# Altium PCB bms_mainboard-1_1.PcbDoc (part 2 of 7) (continued)
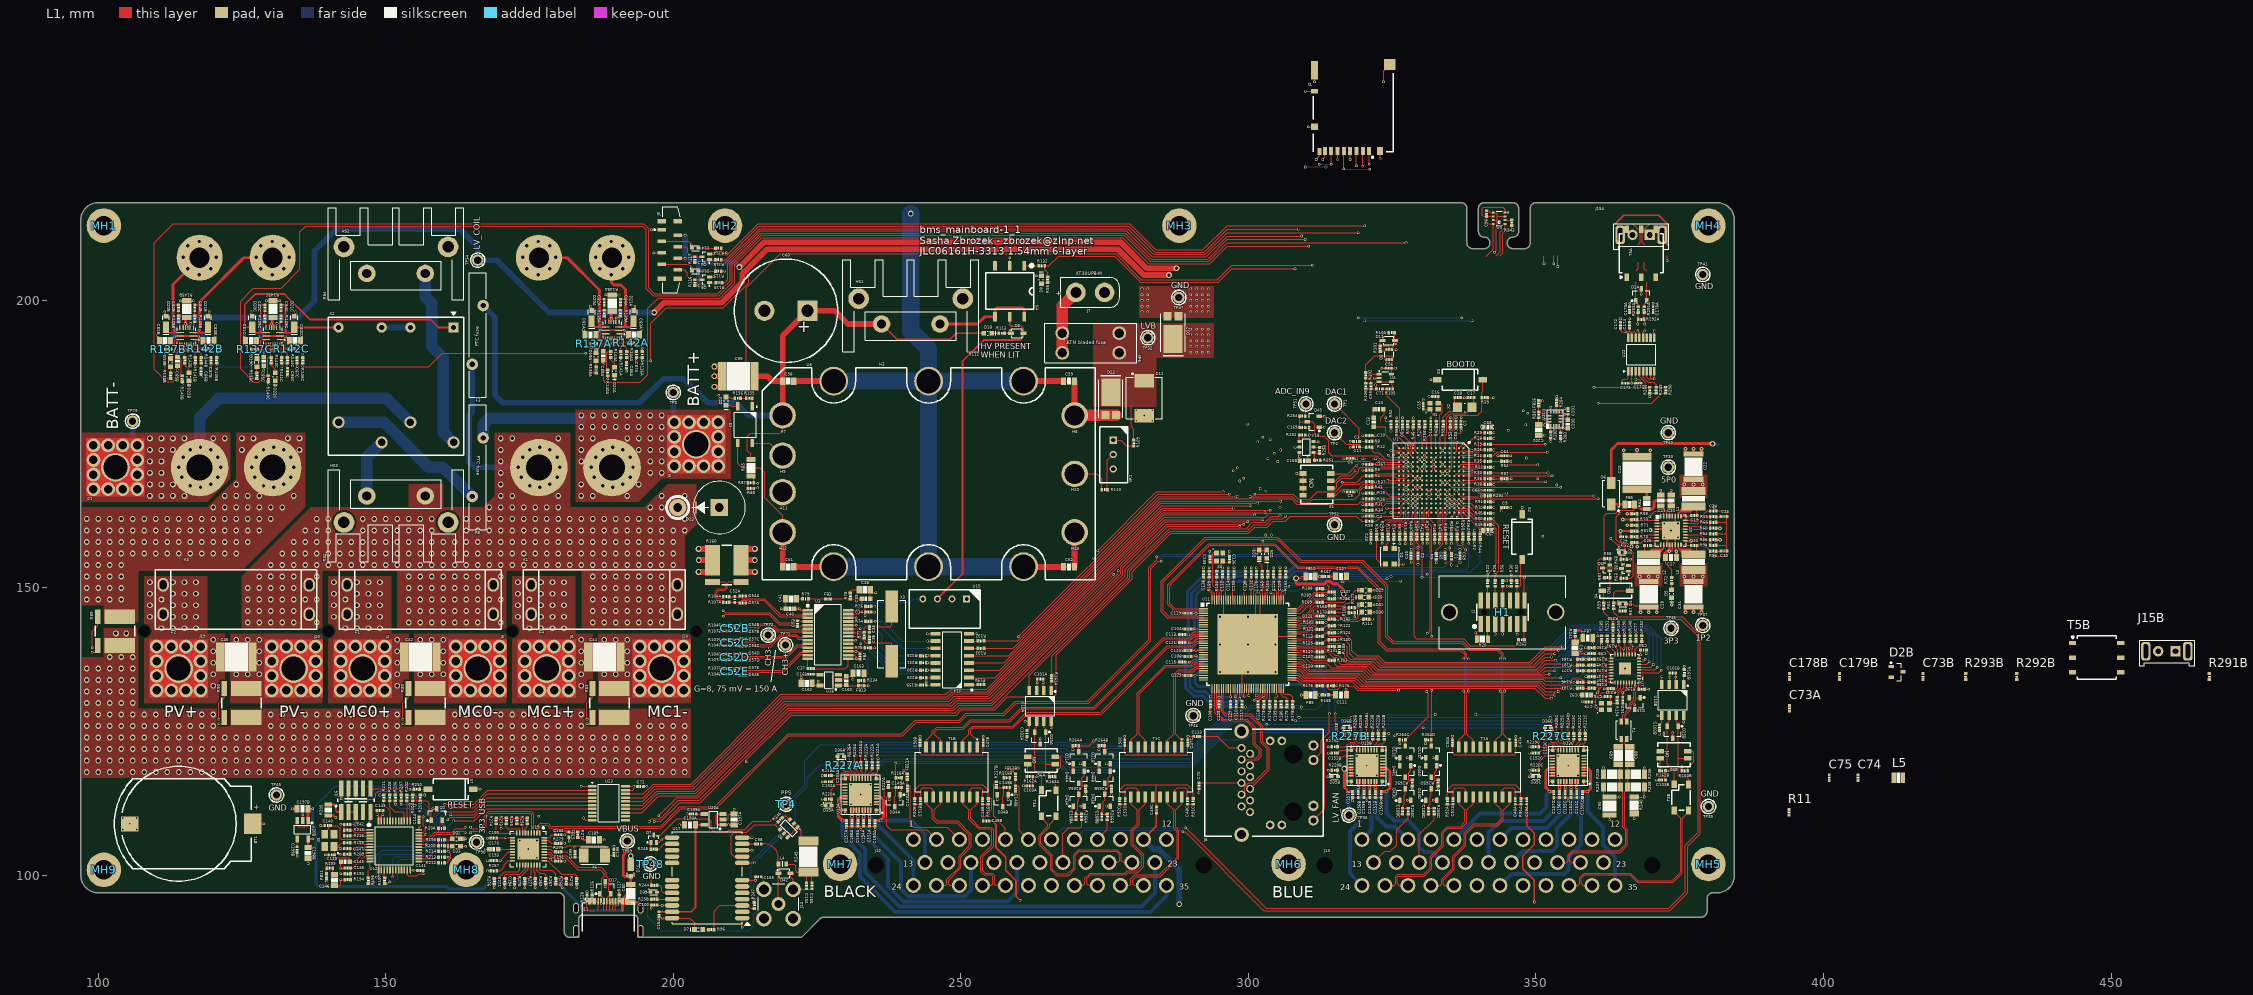
[diagram p0: L1 view]
## Footprints (in the part's own frame and the unit in brackets; to place one, negate y for a bottom-side part, rotate by r counter-clockwise, add the part's x,y. Pads: shape width x height; smd on the part's side, far side on the other; paste and mask are expansions set on the pad)
3DP_STDC14_TAPE_FRAME [mm]
  round 3 / inner round 3 / far side round 4.5 hole 2.3 mask+0.102: 1(-9.25,0) 2(9.25,0)
  silkscreen extent -11,-6.35 11,6.35, body extent -11,-6.35 11,6.35, height 8
3SOT23 [mm] "SOT23, 3-Leads, Body 3.0x2.6mm (max), Pitch 1.01mm, IPC High Density"
  rect 0.95x0.6 smd: 1(-1.025,0.95) 2(-1.025,-0.95) 3(1.025,0)
  silkscreen extent -1.18,-1.5 0.7,1.73, body extent -1.25,-1.5 1.25,1.5, height 1.01
3SOT523 [mm] "SOT23, 3-Leads, Body 1.7x1.7mm (max), Pitch 0.50mm, IPC High Density"
  rect 0.85x0.5 smd: 1(-0.625,0.5) 2(-0.625,-0.5) 3(0.625,0)
  silkscreen extent -0.72,-0.85 0.49,1.17, body extent -0.8,-0.8 0.8,0.8, height 0.91
4_SMD_2.0X1.6MM [mm]
  rect 0.9x0.8 smd: 1(-0.7,-0.55) 2(0.7,-0.55) 3(0.7,0.55) 4(-0.7,0.55)
  silkscreen extent -1.43,-1.13 -1.37,-1.07, body extent -1,-0.8 1,0.8, height 0.4
4_SMD_3.2X2.5MM [mm]
  rect 1.5x1.2 smd: 1(-1.06,-0.8) 2(1.06,-0.8) 3(1.06,0.8) 4(-1.06,0.8)
  silkscreen extent -2.3,-1.6 -2.1,-1.4, body extent -1.6,-1.25 1.6,1.25, height 1
4SIP [mm]
  rect 1.2x1.2 hole 0.65: 1(-3.81,0)
  round 1.2 hole 0.65: 2(-1.27,0) 3(1.27,0) 4(3.81,0)
  silkscreen extent -6.2,-1.6 6.2,5.1, body extent -5.84,-1.22 5.84,4.78, height 10.16
4SMD300 [mm] "SOP, 4-Leads, Body 4.2x4.7mm (max), Pitch 2.54mm, IPC Medium Density"
  rect 1.4x0.6 smd: 1(-3.2,1.27) 2(-3.2,-1.27) 3(3.2,-1.27) 4(3.2,1.27)
  silkscreen extent -3.2,-1.91 2.2,2.1, body extent -3.43,-2 3.43,2, height 2.06
5SC70 [mm] "5SC70/SOT353-1/MO-203/SC-88A, 5-Leads, Body 2.2x2.4mm (max), Pitch 0.65mm, IPC High Density"
  rect 0.9x0.4 smd: 1(-1.1,0.65) 2(-1.1,0) 3(-1.1,-0.65) 4(1.1,-0.65) 5(1.1,0.65)
  silkscreen extent -1.14,-1.1 0.64,1.27, body extent -1.05,-1 1.05,1, height 0.95
5SOT23 [mm] "SOT23, 5-Leads, Body 2.9x2.8mm (max), Pitch 0.95mm, IPC High Density"
  rect 1.22x0.62 smd: 1(-1.61,0.95) 2(-1.61,0) 3(-1.61,-0.95) 4(1.61,-0.95) 5(1.61,0.95)
  silkscreen extent -1.28,-1.45 0.76,1.75, body extent -1.5,-1.5 1.5,1.5, height 1.46
6SMD300 [mm]
  rect 1.65x0.65 smd mask+0.102: 1(-4.445,2.54) 2(-4.445,0) 3(-4.445,-2.54) 4(4.445,-2.54) 5(4.445,0) 6(4.445,2.54)
  silkscreen extent -4.7,-4.19 3.18,4.19, body extent -5.15,-4.3 5.15,4.3, height 4.38
6SOT23 [mm] "SOT23, 6-Leads, Body 2.9x2.8mm (max), Pitch 0.95mm, IPC High Density"
  rect 0.75x0.55 smd: 1(-1.225,0.95) 2(-1.225,0) 3(-1.225,-0.95) 4(1.225,-0.95) 5(1.225,0) 6(1.225,0.95)
  silkscreen extent -1.25,-1.45 0.63,1.5, body extent -1.5,-1.5 1.5,1.5, height 1.46
6SOT563 [mm] "SOT563, 6-Leads, Body 1.25x1.7mm (max), Pitch 0.5mm, IPC High Density"
  rect 0.36x0.5 smd mask+0.05: 1(-0.5,-0.85) 2(0,-0.85) 3(0.5,-0.85) 4(0.5,0.85) 5(0,0.85) 6(-0.5,0.85)
  silkscreen extent -0.86,-0.85 0.8,0.5, body extent -0.8,-0.81 0.8,0.81, height 0.58
8SOIC150 [mm] "SOIC, 8-Leads, Body 5.0x4.0mm (max), Pitch 1.27mm, IPC High Density"
  rect 1.55x0.6 smd: 1(-2.7,1.905) 2(-2.7,0.635) 3(-2.7,-0.635) 4(-2.7,-1.905) 5(2.7,-1.905) 6(2.7,-0.635) 7(2.7,0.635) 8(2.7,1.905)
  silkscreen extent -2.62,-2.5 1.7,2.73, body extent -3.01,-2.5 3.01,2.5, height 1.75
16SOIC150 [mil] "SOIC, 16-Leads, Body 10.0x4.0mm (max), Pitch 1.27mm, IPC High Density"
  rect 70x25 smd: 1(-115,175) 2(-115,125) 3(-115,75) 4(-115,25) 5(-115,-25) 6(-115,-75) 7(-115,-125) 8(-115,-175) 9(115,-175) 10(115,-125) 11(115,-75) 12(115,-25) 13(115,25) 14(115,75) 15(115,125) 16(115,175)
  silkscreen extent -141,-190 65,216, body extent -118,-195 118,195, height 55
28SSOP65 [mm] "SOP, 28-Leads, Body 10.5x5.6mm (max), Pitch 0.65mm, IPC High Density"
  rect 1.85x0.45 smd: 1(-3.5,4.225) 2(-3.5,3.575) 3(-3.5,2.925) 4(-3.5,2.275) 5(-3.5,1.625) 6(-3.5,0.975) 7(-3.5,0.325) 8(-3.5,-0.325) 9(-3.5,-0.975) 10(-3.5,-1.625) 11(-3.5,-2.275) 12(-3.5,-2.925) 13(-3.5,-3.575) 14(-3.5,-4.225) 15(3.5,-4.225) 16(3.5,-3.575) 17(3.5,-2.925) 18(3.5,-2.275) 19(3.5,-1.625) 20(3.5,-0.975) 21(3.5,-0.325) 22(3.5,0.325) 23(3.5,0.975) 24(3.5,1.625) 25(3.5,2.275) 26(3.5,2.925) 27(3.5,3.575) 28(3.5,4.225)
  silkscreen extent -3.81,-5.25 2.29,5.33, body extent -3.88,-5.17 3.88,5.17, height 2.15
48TQFP7 [mm] "TSQFP, 48-Leads, Body 9.0x9.0mm (max), Pitch 0.50mm, IPC High Density"
  rect 1.2x0.3 smd: 1(-4.25,2.75) 2(-4.25,2.25) 3(-4.25,1.75) 4(-4.25,1.25) 5(-4.25,0.75) 6(-4.25,0.25) 7(-4.25,-0.25) 8(-4.25,-0.75) 9(-4.25,-1.25) 10(-4.25,-1.75) 11(-4.25,-2.25) 12(-4.25,-2.75) 25(4.25,-2.75) 26(4.25,-2.25) 27(4.25,-1.75) 28(4.25,-1.25) 29(4.25,-0.75) 30(4.25,-0.25) 31(4.25,0.25) 32(4.25,0.75) 33(4.25,1.25) 34(4.25,1.75) 35(4.25,2.25) 36(4.25,2.75)
  rect 0.3x1.2 smd: 13(-2.75,-4.25) 14(-2.25,-4.25) 15(-1.75,-4.25) 16(-1.25,-4.25) 17(-0.75,-4.25) 18(-0.25,-4.25) 19(0.25,-4.25) 20(0.75,-4.25) 21(1.25,-4.25) 22(1.75,-4.25) 23(2.25,-4.25) 24(2.75,-4.25) 37(2.75,4.25) 38(2.25,4.25) 39(1.75,4.25) 40(1.25,4.25) 41(0.75,4.25) 42(0.25,4.25) 43(-0.25,4.25) 44(-0.75,4.25) 45(-1.25,4.25) 46(-1.75,4.25) 47(-2.25,4.25) 48(-2.75,4.25)
  silkscreen extent -4.6,-3.3 3.3,3.8, body extent -4.6,-4.6 4.6,4.6, height 1.6
AMASS_XT30UPB-M [mm]
  round 3.4 hole 1.9: 1(-2.5,0) 2(2.5,0)
  silkscreen extent -5.1,-2.6 5.1,2.6, body extent -5.1,-2.6 5.1,2.6, height 9.4
BELFUSE_0ZRE0200FF [mm]
  round 2 hole 0.9 mask+0.102: 1(-0.95,-5.1) 2(0.95,5.1)
  silkscreen extent -1.51,-10.85 1.51,10.85, body extent -1.51,-10.85 1.51,10.85, height 24.52
BELFUSE_V8BR-1AX1-GH [mil]
  round 0 hole 128 mask+4: 0(-197,0) 0(197,0)
  round 55 hole 35 mask+4: 1(200,-295) 2(160,-354) 3(120,-295) 4(80,-354) 5(40,-295) 6(0,-354) 7(-40,-295) 8(-80,-354) 9(-120,-295) 10(-160,-354) 11(-200,-295) 12(-240,-354)
  round 60 hole 35 mask+4: 13(288,-78) 14(288,-158) 15(-288,-78) 16(-288,-158)
  round 70 hole 40 mask+4: 17(256.5,138) 18(156.5,138) 19(-156.5,138) 20(-256.5,138)
  round 100 hole 62 mask+4: SH(-354,-354) SH(354,-354)
  silkscreen extent -366,-607 366,206, body extent -366,-607 366,206, height 670
BOSCH_BME280 [mm]
  rect 0.5x0.35 smd mask+0.102: 1(1.025,0.975) 2(1.025,0.325) 3(1.025,-0.325) 4(1.025,-0.975) 5(-1.025,-0.975) 6(-1.025,-0.325) 7(-1.025,0.325) 8(-1.025,0.975)
  silkscreen extent -0.5,-1.2 1.6,1.2, body extent -1.25,-1.25 1.25,1.25, height 1.01
BOURNS_SM91502 [mil]
  rect 50x30 smd mask+4: 1(-165,100) 2(-165,0) 3(-165,-100) 4(165,-100) 5(165,0) 6(165,100)
  silkscreen extent -175,-150 132,150, body extent -132,-150 132,150, height 225
C0402 [mm]
  rect 0.5x0.5 smd: 1(-0.5,0) 2(0.5,0)
  silkscreen extent -0.13,-0.25 0.13,0.25, body extent -0.5,-0.25 0.5,0.25, height 0.6
C0603 [mm]
  rect 0.8x0.8 smd: 1(-0.75,0) 2(0.75,0)
  silkscreen extent -0.23,-0.4 0.23,0.4, body extent -0.8,-0.4 0.8,0.4, height 1
C0805 [mm]
  rect 0.9x1.3 smd: 1(-0.95,0) 2(0.95,0)
  silkscreen extent -0.38,-0.63 0.38,0.63, body extent -1,-0.63 1,0.63, height 1.45
C1206 [mm]
  rect 0.9x1.6 smd: 1(-1.55,0) 2(1.55,0)
  silkscreen extent -0.97,-0.8 0.97,0.8, body extent -1.6,-0.8 1.6,0.8, height 1.9
C1210 [mm]
  rect 0.9x2.5 smd: 1(-1.55,0) 2(1.55,0)
  silkscreen extent -0.97,-1.25 0.97,1.25, body extent -1.6,-1.25 1.6,1.25, height 2.8
C1812 [mm]
  rect 0.9x3.4 smd: 1(-2.2,0) 2(2.2,0)
  silkscreen extent -1.63,-1.6 1.62,1.6, body extent -2.25,-1.6 2.25,1.6, height 3.5
C2220 [mm]
  rect 1.35x5 smd: 1(-2.825,0) 2(2.825,0)
  silkscreen extent -2.03,-2.5 2.03,2.5, body extent -2.85,-2.5 2.85,2.5, height 2.8
CAP_1600X2700X750 [mm]
  rect 3.5x3.5 hole 2.1: 1(-3.75,0)
  round 3.5 hole 2.1: 2(3.75,0)
  silkscreen extent -9,-9 9,9, body extent -8.98,-9 9,9, height 25
CHOKE_ACT45B-101-2P-TL003 [mm]
  rect 1.35x0.9 smd: 1(-2.275,-1.25) 2(-2.225,1.25) 3(2.275,1.25) 4(2.275,-1.25)
  silkscreen extent -2.17,-1.65 2.23,1.55, body extent -2.22,-1.62 2.28,1.58, height 2.81
CHOKE_ACT1210D-131-2P-TL00 [mm]
  rect 1.05x0.6 smd: 1(-1.525,0.5) 2(-1.525,-0.5) 3(1.525,-0.5) 4(1.525,0.5)
  silkscreen extent -1.6,-1.3 1.6,1.3, body extent -1.85,-1.25 1.85,1.25, height 2.36
CONN_USBC_TYPE-C-31-M-13 [mm] "USB 2.0 12P USB-C connector"
  oval 1x2.2 hole 0.6 slot 1.8 at 90 deg: 0(-5.62,0) 0(5.62,0)
  oval 1x1.8 hole 0.6 slot 1.4 at 90 deg: 0(-5.62,4) 0(5.62,4)
  rect 0.6x1.15 smd: A1(-3.2,5.2) A4(-2.4,5.2) B1(3.2,5.2) B4(2.4,5.2)
  rect 0.3x1.15 smd: A5(-1.25,5.2) A6(-0.25,5.2) A7(0.25,5.2) A8(1.25,5.2) B5(1.75,5.2) B6(0.75,5.2) B7(-0.75,5.2) B8(-1.75,5.2)
  silkscreen extent -4.5,0 4.5,5.7, body extent -4.5,-2.1 4.5,5, height 2.56
EATON_ELV10-xx-2P [mm]
  rrect100% 2x2.4 hole 1.2 slot 1.6 at 90 deg: 1(-12.7,-2.55) 1(-12.7,2.55) 2(12.7,-2.55) 2(12.7,2.55)
  silkscreen extent -14.05,-5.14 14.05,5.15, body extent -14.05,-5.14 14.05,5.15, height 14.11
EPCOS_LAN_MODULE [mil] "LAN_MODULE_12.7mm_6.9mm"
  rect 25x75 smd: 1(-175,-172.5) 2(-125,-172.5) 3(-75,-172.5) 4(-25,-172.5) 5(25,-172.5) 6(75,-172.5) 7(125,-172.5) 8(175,-172.5) 9(175,172.5) 10(125,172.5) 11(75,172.5) 12(25,172.5) 13(-25,172.5) 14(-75,172.5) 15(-125,172.5) 16(-175,172.5)
  silkscreen extent -250,-228 250,136, body extent -250,-185 250,185, height 220
ESMP [mm]
  rect 2x1.1 smd: 1(-1.25,0)
  rect 0.8x0.8 smd: 2(0.65,0)
  silkscreen extent -2.44,-0.6 0.75,0.6, body extent -1.58,-0.65 0.92,0.65, height 0.68
FB0402 [mm]
  rect 0.55x0.55 smd: 1(-0.45,0) 2(0.45,0)
  silkscreen extent -0.05,-0.28 0.05,0.28, body extent -0.5,-0.25 0.5,0.25, height 0.65
FB0805 [mm]
  rect 0.81x1.4 smd: 1(-0.85,0) 2(0.85,0)
  silkscreen extent -0.33,-0.63 0.33,0.63, body extent -1,-0.63 1,0.63, height 1.1
FTSH-105-01-L-DV-K_KEYED [mil] ".050\" Micro Terminal Strip PIN 7 REMOVED"
  rect 29x110 smd: 0(50,-80) 1(-100,-80) 2(-100,80) 3(-50,-80) 4(-50,80) 5(0,-80) 6(0,80) 8(50,80) 9(100,-80) 10(100,80)
  silkscreen extent -140,-45 125,10, body extent -125,-115 125,115, height 240
FUSEHOLDER_KEYSTONE_3568 [mm]
  round 2.4 hole 1.6: 1(-4.95,-1.705) 1(-4.95,1.705) 2(4.95,-1.705) 2(4.95,1.705)
  silkscreen extent -8,-3.4 8,3.4, body extent -8,-3.37 8,3.37, height 7.38
GCT_RFPC-SMA14-FN-A [mm]
  round 2.4 hole 1.4: 1(0,0)
  round 2.7 hole 1.7: 2(-2.54,-2.54) 2(-2.54,2.54) 2(2.54,-2.54) 2(2.54,2.54)
  silkscreen extent -3.5,-1.11 3.51,3.49, body extent -5.5,-16.9 5.5,3.5, height 12.44
HIROSE_DM3BT [mm]
  rect 2x1.9 smd: 0(-3.55,-15)
  rect 1x1.4 smd: 0(-1.9,0)
  rect 0.7x1.2 smd: 0(8.65,0.1)
  rect 1.2x1.2 smd: 0(9.5,-4.2)
  rect 1.2x3.2 smd: 0(9.5,-14)
  rect 0.7x1.4 smd: 1(0,0) 2(1.1,0) 3(2.2,0) 4(3.3,0) 5(4.4,0) 6(5.5,0) 7(6.6,0) 8(7.7,0)
  rect 1.2x0.8 smd: 9(9.5,-10.4)
  silkscreen extent -4.15,-13.5 9.7,1.27, body extent -4.15,-17.38 9.7,0.17, height 1.83
HOLDER_BATT_CR2032_HARWIN_S8421-45R [mm]
  rect 3.6x3 smd: 1(0,-12.9)
  rect 2.6x3 smd: 2(0,8.5)
  silkscreen extent -10,-12.64 10,11.18, body extent -7.85,-13.5 7.85,11.24, height 5.3
HOLE_M3 [mm]
  round 6 hole 3.4: 0(0,0)
L0603_0.95MM [mm]
  rect 0.64x0.89 smd: 1(-0.69,0) 2(0.69,0)
  silkscreen extent -0.05,-0.52 0.05,0.52, body extent -0.8,-0.4 0.8,0.4, height 0.95
LED_0603P_AMBER [mm]
  rect 0.8x0.85 smd: 1(-0.7,0) 2(0.7,0)
  silkscreen extent -1.27,-0.4 0.1,0.4, body extent -0.81,-0.4 0.81,0.4, height 0.6
LED_0603P_GREEN [mm]
  rect 0.8x0.85 smd: 1(-0.7,0) 2(0.7,0)
  silkscreen extent -1.4,-0.33 0.1,0.33, body extent -0.81,-0.4 0.81,0.4, height 0.6
LED_0603P_RED [mm]
  rect 0.8x0.85 smd: 1(-0.7,0) 2(0.7,0)
  silkscreen extent -1.4,-0.33 0.1,0.33, body extent -0.81,-0.4 0.81,0.4, height 0.6
LED_0603P_YELLOW [mm]
  rect 0.8x0.85 smd: 1(-0.7,0) 2(0.7,0)
  silkscreen extent -1.4,-0.33 0.1,0.33, body extent -0.81,-0.4 0.81,0.4, height 0.6
LED_RGB_SMD3528-4P [mm]
  rect 0.9x0.9 smd mask+0.102: 1(1.35,-0.75) 2(-1.35,-0.75) 3(1.35,0.75) 4(-1.35,0.75)
  silkscreen extent -1.6,-1.6 2.3,1.6, body extent -1.6,-1.6 1.6,1.6, height 1.9
MICROCHIP_C04-418B_128TQFP_14X14_10X10EP [mm]
  rect 1.54x0.2 smd paste+0 mask+0: 1(-7.7,6.2) 2(-7.7,5.8) 3(-7.7,5.4) 4(-7.7,5) 5(-7.7,4.6) 6(-7.7,4.2) 7(-7.7,3.8) 8(-7.7,3.4) 9(-7.7,3) 10(-7.7,2.6) 11(-7.7,2.2) 12(-7.7,1.8) 13(-7.7,1.4) 14(-7.7,1) 15(-7.7,0.6) 16(-7.7,0.2) 17(-7.7,-0.2) 18(-7.7,-0.6) 19(-7.7,-1) 20(-7.7,-1.4) 21(-7.7,-1.8) 22(-7.7,-2.2) 23(-7.7,-2.6) 24(-7.7,-3) 25(-7.7,-3.4) 26(-7.7,-3.8) 27(-7.7,-4.2) 28(-7.7,-4.6) 29(-7.7,-5) 30(-7.7,-5.4) 31(-7.7,-5.8) 32(-7.7,-6.2) 65(7.7,-6.2) 66(7.7,-5.8) 67(7.7,-5.4) 68(7.7,-5) 69(7.7,-4.6) 70(7.7,-4.2) 71(7.7,-3.8) 72(7.7,-3.4) 73(7.7,-3) 74(7.7,-2.6) 75(7.7,-2.2) 76(7.7,-1.8) 77(7.7,-1.4) 78(7.7,-1) 79(7.7,-0.6) 80(7.7,-0.2) 81(7.7,0.2) 82(7.7,0.6) 83(7.7,1) 84(7.7,1.4) 85(7.7,1.8) 86(7.7,2.2) 87(7.7,2.6) 88(7.7,3) 89(7.7,3.4) 90(7.7,3.8) 91(7.7,4.2) 92(7.7,4.6) 93(7.7,5) 94(7.7,5.4) 95(7.7,5.8) 96(7.7,6.2)
  rect 0.2x1.54 smd paste+0 mask+0: 33(-6.2,-7.7) 34(-5.8,-7.7) 35(-5.4,-7.7) 36(-5,-7.7) 37(-4.6,-7.7) 38(-4.2,-7.7) 39(-3.8,-7.7) 40(-3.4,-7.7) 41(-3,-7.7) 42(-2.6,-7.7) 43(-2.2,-7.7) 44(-1.8,-7.7) 45(-1.4,-7.7) 46(-1,-7.7) 47(-0.6,-7.7) 48(-0.2,-7.7) 49(0.2,-7.7) 50(0.6,-7.7) 51(1,-7.7) 52(1.4,-7.7) 53(1.8,-7.7) 54(2.2,-7.7) 55(2.6,-7.7) 56(3,-7.7) 57(3.4,-7.7) 58(3.8,-7.7) 59(4.2,-7.7) 60(4.6,-7.7) 61(5,-7.7) 62(5.4,-7.7) 63(5.8,-7.7) 64(6.2,-7.7) 97(6.2,7.7) 98(5.8,7.7) 99(5.4,7.7) 100(5,7.7) 101(4.6,7.7) 102(4.2,7.7) 103(3.8,7.7) 104(3.4,7.7) 105(3,7.7) 106(2.6,7.7) 107(2.2,7.7) 108(1.8,7.7) 109(1.4,7.7) 110(1,7.7) 111(0.6,7.7) 112(0.2,7.7) 113(-0.2,7.7) 114(-0.6,7.7) 115(-1,7.7) 116(-1.4,7.7) 117(-1.8,7.7) 118(-2.2,7.7) 119(-2.6,7.7) 120(-3,7.7) 121(-3.4,7.7) 122(-3.8,7.7) 123(-4.2,7.7) 124(-4.6,7.7) 125(-5,7.7) 126(-5.4,7.7) 127(-5.8,7.7) 128(-6.2,7.7)
  rect 10.5x10.5 smd paste+0 mask+0: EP(0,0)
  silkscreen extent -8.26,-7.11 7.11,7.24, body extent -8.57,-8.57 8.57,8.57, height 0.25
MOLEX_MICROFIT_0436500219 [mm]
  rect 1.8x1.8 hole 1.02 paste-2539.97 mask+0: 1(1.5,0)
  round 1.8 hole 1.02 paste-2539.97 mask+0: 2(-1.5,0)
  rrect50% 1.6x3.21 hole 0.8 slot 2.41 at 90 deg paste-2539.97 mask+0: 3(3.65,0) 4(-3.65,0)
  silkscreen extent -4.83,-2.48 4.83,1.9, body extent -4.82,-2.48 4.82,3.09, height 9.91
MP6519 [mm]
  rect 1.1x0.2 smd mask+0.05: 1(-1.25,0.6)
  rect 1.3x0.2 smd mask+0.05: 2(-1.15,0) 3(-1.15,-0.6) 10(1.15,-0.6) 11(1.15,0) 12(1.15,0.6)
  rect 0.2x0.7 smd mask+0.05: 4(-1.2,-1.45) 5(-0.6,-1.45) 6(-0.2,-1.45) 7(0.2,-1.45) 8(0.6,-1.45) 9(1.2,-1.45) 13(1.2,1.45) 14(0.8,1.45) 15(0.4,1.45) 16(0,1.45) 17(-0.4,1.45) 18(-0.8,1.45) 19(-1.2,1.45)
  silkscreen extent -2.15,-1.47 1.61,1.47, body extent -1.5,-1.5 1.5,1.5, height 1
MURATA_DFE201612E [mm]
  rect 0.8x1.8 smd: 1(-0.8,0) 2(0.8,0)
  silkscreen extent -0.3,-0.9 0.3,0.9, body extent -1,-0.8 1,0.8, height 1.75
OHMITE_WA-T247-101E [mm]
  round 3.6 hole 2: 0(-9.05,4.6) 0(9.05,4.6)
  silkscreen extent -11.81,-4.6 11.81,11.4, body extent -11.68,-4.6 11.68,11.4, height 32.02
P600_VERTICAL [mm]
  rect 3x3 hole 1.5: 1(0,0)
  round 3 hole 1.5: 2(7.23,0)
  silkscreen extent -4.55,-4.55 9.16,4.55, body extent -4.55,-4.55 7.91,4.54, height 14.54
POWERDI5 [mm]
  rect 1.4x1.39 smd: 1(-1.552,-0.92) 1(-1.552,0.92)
  rect 4.86x3.36 smd: 2(2.43,0)
  silkscreen extent -2,-2.1 5.3,2.1, body extent -1.9,-2 4.7,2.05, height 1.15
PRECI-DIP_15115-91-0710 [mm]
  round 4.6 hole 3.47 mask+0.102: 1(0,0)
  body extent -1.98,-1.98 1.98,1.98, height 0.77
QFN50P500X500X90-32N [mm] "QFN, 32-Leads, Body 5.1x5.1mm (max), Pitch 0.50mm, IPC High Density"
  rect 0.7x0.25 smd: 1(-2.4,1.75) 2(-2.4,1.25) 3(-2.4,0.75) 4(-2.4,0.25) 5(-2.4,-0.25) 6(-2.4,-0.75) 7(-2.4,-1.25) 8(-2.4,-1.75) 17(2.4,-1.75) 18(2.4,-1.25) 19(2.4,-0.75) 20(2.4,-0.25) 21(2.4,0.25) 22(2.4,0.75) 23(2.4,1.25) 24(2.4,1.75)
  rect 0.25x0.7 smd: 9(-1.75,-2.4) 10(-1.25,-2.4) 11(-0.75,-2.4) 12(-0.25,-2.4) 13(0.25,-2.4) 14(0.75,-2.4) 15(1.25,-2.4) 16(1.75,-2.4) 25(1.75,2.4) 26(1.25,2.4) 27(0.75,2.4) 28(0.25,2.4) 29(-0.25,2.4) 30(-0.75,2.4) 31(-1.25,2.4) 32(-1.75,2.4)
  rect 2.1x2.1 smd: EP(0,0)
  silkscreen extent -3.1,-2.5 2.5,2.5, body extent -2.5,-2.5 2.5,2.5, height 1.01
QFN50P600X600X90-36N [mm] "QFN, 36-Leads, Body 6.1x6.1mm (max), Pitch 0.50mm, IPC High Density"
  rect 0.9x0.28 smd: 1(-2.775,2) 2(-2.775,1.5) 3(-2.775,1) 4(-2.775,0.5) 5(-2.775,0) 6(-2.775,-0.5) 7(-2.775,-1) 8(-2.775,-1.5) 9(-2.775,-2) 19(2.775,-2) 20(2.775,-1.5) 21(2.775,-1) 22(2.775,-0.5) 23(2.775,0) 24(2.775,0.5) 25(2.775,1) 26(2.775,1.5) 27(2.775,2)
  rect 0.28x0.9 smd: 10(-2,-2.775) 11(-1.5,-2.775) 12(-1,-2.775) 13(-0.5,-2.775) 14(0,-2.775) 15(0.5,-2.775) 16(1,-2.775) 17(1.5,-2.775) 18(2,-2.775) 28(2,2.775) 29(1.5,2.775) 30(1,2.775) 31(0.5,2.775) 32(0,2.775) 33(-0.5,2.775) 34(-1,2.775) 35(-1.5,2.775) 36(-2,2.775)
  rect 3.7x3.7 smd: EP(0,0)
  silkscreen extent -3.85,-3.1 3.1,3.1, body extent -3.07,-3.07 3.07,3.07, height 1.67
QUECTEL_LC29H [mm]
  oval 2.5x0.8 smd mask+0.102: 1(-6.1,7) 2(-6.1,5.9) 3(-6.1,4.8) 4(-6.1,3.7) 5(-6.1,2.6) 6(-6.1,1.5) 7(-6.1,0.4) 8(-6.1,-2.6) 9(-6.1,-3.7) 10(-6.1,-4.8) 11(-6.1,-5.9) 12(-6.1,-7) 13(6.1,-7) 14(6.1,-5.9) 15(6.1,-4.8) 16(6.1,-3.7) 17(6.1,-2.6) 18(6.1,0.4) 19(6.1,1.5) 20(6.1,2.6) 21(6.1,3.7) 22(6.1,4.8) 23(6.1,5.9) 24(6.1,7)
  silkscreen extent -7.5,-8 6.1,8.2, body extent -6.1,-8 6.1,8, height 2.51
R0402 [mm]
  rect 0.5x0.6 smd: 1(-0.5,0) 2(0.5,0)
  silkscreen extent -0.13,-0.25 0.13,0.25, body extent -0.5,-0.25 0.5,0.25, height 0.5
R0805 [mm]
  rect 0.7x1.3 smd: 1(-0.95,0) 2(0.95,0)
  silkscreen extent -0.48,-0.63 0.48,0.63, body extent -1,-0.63 1,0.63, height 0.75
R1206 [mm]
  rect 0.9x1.6 smd: 1(-1.45,0) 2(1.45,0)
  silkscreen extent -0.87,-0.8 0.87,0.8, body extent -1.55,-0.8 1.55,0.8, height 1
R2512 [mm]
  rect 1.6x3.5 smd: 1(-2.7,0) 2(2.7,0)
  silkscreen extent -1.77,-1.6 1.78,1.6, body extent -3.17,-1.6 3.18,1.6, height 1.6
RELAY_FTR-J2 [mm]
  rect 1.8x1.8 hole 0.9: 1(-16.5,10)
  round 1.8 hole 0.9: 2(-16.5,2.5) 3(-16.5,-2.5) 4(-16.5,-10)
  round 2.1 hole 1.3: 5(3.5,10) 6(0,2.5) 7(3.5,-2.5) 8(0,-10)
  silkscreen extent -19.2,-11.75 5.7,11.75, body extent -18.3,-11.75 5.7,11.75, height 27
RELAY_P126 [mm]
  round 2 hole 0.6: 1(-26.25,6.25) 1(-25.5,8.25) 1(-25.5,4.25) 1(-23.5,9.25) 1(-23.5,3.5) 1(-21.5,8.25) 1(-21.5,4.25) 1(-20.5,6.25) 2(-26.25,-6.45) 2(-25.5,-4.45) 2(-25.5,-8.45) 2(-23.5,-3.45) 2(-23.5,-9.2) 2(-21.5,-4.45) 2(-21.5,-8.45) 2(-20.5,-6.45) 3(9.5,-6.2) 3(10,-7.95) 3(10,-4.45) 3(11.25,-3.2) 3(11.25,-9.2) 3(13,-2.7) 3(13,-9.95) 3(14.75,-3.2) 3(14.75,-9.45) 3(16,-4.45) 3(16.25,-7.95) 3(16.5,-6.2) 4(9.5,6.5) 4(10,4.75) 4(10,8.25) 4(11.25,9.5) 4(11.25,3.5) 4(13,10) 4(13,2.75) 4(14.75,9.5) 4(14.75,3.25) 4(16,8.25) 4(16.25,4.75) 4(16.5,6.5)
  round 8 hole 3.5: 1(-23.431,6.35) 2(-23.431,-6.35)
  round 10 hole 4.5: 3(13.069,-6.35) 4(13.069,6.35)
  body extent -32.22,-15.01 28.82,15.01, height 33.85
SAMTEC_FTSH-107-01-L-DV-K-A [mil]
  rect 0x0 hole 40 unplated mask+4: 0(-125,0) 0(125,0)
  rect 29x110 smd mask+4: 1(-150,-80) 2(-150,80) 3(-100,-80) 4(-100,80) 5(-50,-80) 6(-50,80) 7(0,-80) 8(0,80) 9(50,-80) 10(50,80) 11(100,-80) 12(100,80) 13(150,-80) 14(150,80)
  silkscreen extent -201,-106 177,59, body extent -175,-115 175,115, height 242
SMA [mm] "Molded Diode, 2-Leads, Body 4.3x2.6mm, IPC High Density"
  rect 2.1x1.45 smd: 1(-1.85,0) 2(1.85,0)
  silkscreen extent -2.3,-1.5 3.07,1.5, body extent -2.6,-1.3 2.6,1.3, height 2.4
SMC [mm] "Molded Diode, 2-Leads, Body 6.9x5.9mm, IPC High Density"
  rect 2.35x3.4 smd: 1(-3.025,0) 2(3.025,0)
  silkscreen extent -3.6,-3.15 4.37,3.15, body extent -3.97,-2.95 3.98,2.95, height 2.3
SMD-4.1x4.1x2.0 [mm]
  rect 1.4x4.1 smd mask+0.102: 1(-1.35,0) 2(1.35,0)
  silkscreen extent -0.5,-2 0.5,2, body extent -2,-2 2,2, height 2
SMTSO-M3-2ET [mm]
  round 5 hole 4.22: 1(0,0)
  round 7 smd: 1(0,0)
  body extent -2.78,-2.76 2.78,2.78, height 2.01
SOD323 [mm] "Molded Diode, 2-Leads, Body 1.7x1.3mm, IPC High Density"
  rect 1.06x0.54 smd: 1(1.07,0) 2(-1.07,0)
  silkscreen extent -1.31,-0.75 0.9,0.75, body extent -1.35,-0.67 1.35,0.68, height 0.78
SOD523 [mm] "Molded Diode, 2-Leads, Body 1.2x0.8mm, IPC High Density"
  rect 0.7x0.5 smd: 1(0.55,0) 2(-0.55,0)
  silkscreen extent -0.9,-0.45 0.65,0.5, body extent -0.8,-0.4 0.8,0.4, height 0.7
ST_ECOPACK_QFN50P600X600X90-32N [mm]
  rect 0.9x0.25 smd: 1(-2.75,1.75) 2(-2.75,1.25) 3(-2.75,0.75) 4(-2.75,0.25) 5(-2.75,-0.25) 6(-2.75,-0.75) 7(-2.75,-1.25) 8(-2.75,-1.75) 17(2.75,-1.75) 18(2.75,-1.25) 19(2.75,-0.75) 20(2.75,-0.25) 21(2.75,0.25) 22(2.75,0.75) 23(2.75,1.25) 24(2.75,1.75)
  rect 0.25x0.9 smd: 9(-1.75,-2.75) 10(-1.25,-2.75) 11(-0.75,-2.75) 12(-0.25,-2.75) 13(0.25,-2.75) 14(0.75,-2.75) 15(1.25,-2.75) 16(1.75,-2.75) 25(1.75,2.75) 26(1.25,2.75) 27(0.75,2.75) 28(0.25,2.75) 29(-0.25,2.75) 30(-0.75,2.75) 31(-1.25,2.75) 32(-1.75,2.75)
  rect 0.6x0.6 smd: 33(-2.7,2.7) 34(-2.7,-2.7) 35(2.7,-2.7) 36(2.7,2.7)
  rect 4x4 smd: EP(0,0)
  L1 region: 3,1.875 2.3,1.875 2.3,1.125 3,1.125
  L1 region: -3,1.125 -2.3,1.125 -2.3,1.875 -3,1.875
  L1 region: -3,0.125 -2.3,0.125 -2.3,0.875 -3,0.875
  L1 region: -1.875,3 -1.875,2.3 -1.125,2.3 -1.125,3
  L1 region: -0.875,3 -0.875,2.3 -0.125,2.3 -0.125,3
  L1 region: 0.125,3 0.125,2.3 0.875,2.3 0.875,3
  L1 region: 1.125,3 1.125,2.3 1.875,2.3 1.875,3
  L1 region: 3,0.875 2.3,0.875 2.3,0.125 3,0.125
  silkscreen extent -3.85,-3.4 3.4,3.4, body extent -3,-3 3,3, height 1
ST_LGA-14L [mm]
  rect 0.575x0.3 smd mask+0.05: 1(-1.162,0.75) 2(-1.162,0.25) 3(-1.162,-0.25) 4(-1.162,-0.75) 8(1.162,-0.75) 9(1.162,-0.25) 10(1.162,0.25) 11(1.162,0.75)
  rect 0.3x0.575 smd mask+0.05: 5(-0.5,-0.913) 6(0,-0.913) 7(0.5,-0.913) 12(0.5,0.913) 13(0,0.913) 14(-0.5,0.913)
  silkscreen extent -1.8,-1.4 1.6,1.6, body extent -1.55,-1.3 1.55,1.3, height 0.87
ST_TFBGA225 [mil]
  round 14 smd: A1(-220.47,220.47) A2(-188.98,220.47) A3(-157.48,220.47) A4(-125.98,220.47) A5(-94.49,220.47) A6(-62.99,220.47) A7(-31.5,220.47) A8(0,220.47) A9(31.5,220.47) A10(62.99,220.47) A11(94.49,220.47) A12(125.98,220.47) A13(157.48,220.47) A14(188.98,220.47) A15(220.47,220.47) B1(-220.47,188.98) B2(-188.98,188.98) B3(-157.48,188.98) B4(-125.98,188.98) B5(-94.49,188.98) B6(-62.99,188.98) B7(-31.5,188.98) B8(0,188.98) B9(31.5,188.98) B10(62.99,188.98) B11(94.49,188.98) B12(125.98,188.98) B13(157.48,188.98) B14(188.98,188.98) B15(220.47,188.98) C1(-220.47,157.48) C2(-188.98,157.48) C3(-157.48,157.48) C4(-125.98,157.48) C5(-94.49,157.48) C6(-62.99,157.48) C7(-31.5,157.48) C8(0,157.48) C9(31.5,157.48) C10(62.99,157.48) C11(94.49,157.48) C12(125.98,157.48) C13(157.48,157.48) C14(188.98,157.48) C15(220.47,157.48) D1(-220.47,125.98) D2(-188.98,125.98) D3(-157.48,125.98) D4(-125.98,125.98) D5(-94.49,125.98) D6(-62.99,125.98) D7(-31.5,125.98) D8(0,125.98) D9(31.5,125.98) D10(62.99,125.98) D11(94.49,125.98) D12(125.98,125.98) D13(157.48,125.98) D14(188.98,125.98) D15(220.47,125.98) E1(-220.47,94.49) E2(-188.98,94.49) E3(-157.48,94.49) E4(-125.98,94.49) E5(-94.49,94.49) E6(-62.99,94.49) E7(-31.5,94.49) E8(0,94.49) E9(31.5,94.49) E10(62.99,94.49) E11(94.49,94.49) E12(125.98,94.49) E13(157.48,94.49) E14(188.98,94.49) E15(220.47,94.49) F1(-220.47,62.99) F2(-188.98,62.99) F3(-157.48,62.99) F4(-125.98,62.99) F5(-94.49,62.99) F6(-62.99,62.99) F7(-31.5,62.99) F8(0,62.99) F9(31.5,62.99) F10(62.99,62.99) F11(94.49,62.99) F12(125.98,62.99) F13(157.48,62.99) F14(188.98,62.99) F15(220.47,62.99) G1(-220.47,31.5) G2(-188.98,31.5) G3(-157.48,31.5) G4(-125.98,31.5) G5(-94.49,31.5) G6(-62.99,31.5) G7(-31.5,31.5) G8(0,31.5) G9(31.5,31.5) G10(62.99,31.5) G11(94.49,31.5) G12(125.98,31.5) G13(157.48,31.5) G14(188.98,31.5) G15(220.47,31.5) H1(-220.47,0) H2(-188.98,0) H3(-157.48,0) H4(-125.98,0) H5(-94.49,0) H6(-62.99,0) H7(-31.5,0) H8(0,0) H9(31.5,0) H10(62.99,0) H11(94.49,0) H12(125.98,0) H13(157.48,0) H14(188.98,0) H15(220.47,0) J1(-220.47,-31.5) J2(-188.98,-31.5) J3(-157.48,-31.5) J4(-125.98,-31.5) J5(-94.49,-31.5) J6(-62.99,-31.5) J7(-31.5,-31.5) J8(0,-31.5) J9(31.5,-31.5) J10(62.99,-31.5) J11(94.49,-31.5) J12(125.98,-31.5) J13(157.48,-31.5) J14(188.98,-31.5) J15(220.47,-31.5) K1(-220.47,-62.99) K2(-188.98,-62.99) K3(-157.48,-62.99) K4(-125.98,-62.99) K5(-94.49,-62.99) K6(-62.99,-62.99) K7(-31.5,-62.99) K8(0,-62.99) K9(31.5,-62.99) K10(62.99,-62.99) K11(94.49,-62.99) K12(125.98,-62.99) K13(157.48,-62.99) K14(188.98,-62.99) K15(220.47,-62.99) L1(-220.47,-94.49) L2(-188.98,-94.49) L3(-157.48,-94.49) L4(-125.98,-94.49) L5(-94.49,-94.49) L6(-62.99,-94.49) L7(-31.5,-94.49) L8(0,-94.49) L9(31.5,-94.49) L10(62.99,-94.49) L11(94.49,-94.49) L12(125.98,-94.49) L13(157.48,-94.49) L14(188.98,-94.49) L15(220.47,-94.49) M1(-220.47,-125.98) M2(-188.98,-125.98) M3(-157.48,-125.98) M4(-125.98,-125.98) M5(-94.49,-125.98) M6(-62.99,-125.98) M7(-31.5,-125.98) M8(0,-125.98) M9(31.5,-125.98) M10(62.99,-125.98) M11(94.49,-125.98) M12(125.98,-125.98) M13(157.48,-125.98) M14(188.98,-125.98) M15(220.47,-125.98) N1(-220.47,-157.48) N2(-188.98,-157.48) N3(-157.48,-157.48) N4(-125.98,-157.48) N5(-94.49,-157.48) N6(-62.99,-157.48) N7(-31.5,-157.48) N8(0,-157.48) N9(31.5,-157.48) N10(62.99,-157.48) N11(94.49,-157.48) N12(125.98,-157.48) N13(157.48,-157.48) N14(188.98,-157.48) N15(220.47,-157.48) P1(-220.47,-188.98) P2(-188.98,-188.98) P3(-157.48,-188.98) P4(-125.98,-188.98) P5(-94.49,-188.98) P6(-62.99,-188.98) P7(-31.5,-188.98) P8(0,-188.98) P9(31.5,-188.98) P10(62.99,-188.98) P11(94.49,-188.98) P12(125.98,-188.98) P13(157.48,-188.98) P14(188.98,-188.98) P15(220.47,-188.98) R1(-220.47,-220.47) R2(-188.98,-220.47) R3(-157.48,-220.47) R4(-125.98,-220.47) R5(-94.49,-220.47) R6(-62.99,-220.47) R7(-31.5,-220.47) R8(0,-220.47) R9(31.5,-220.47) R10(62.99,-220.47) R11(94.49,-220.47) R12(125.98,-220.47) R13(157.48,-220.47) R14(188.98,-220.47) R15(220.47,-220.47)
  silkscreen extent -265,-259 259,265, body extent -256,-256 256,256, height 47
SWITCH_NIDEC_CHS-01TA [mm]
  rect 0.8x1.3 smd: 1(0,-2.4) 2(0,2.4)
  silkscreen extent -1.3,-2.8 1.3,2.8, body extent -1.25,-2.8 1.25,2.8, height 2.53
SWITCH_NIDEC_CHS-02TA [mm]
  rect 0.8x1.3 smd: 1(-0.635,-2.4) 2(-0.635,2.4) 3(0.635,-2.4) 4(0.635,2.4)
  silkscreen extent -2.05,-2.8 2.05,2.8, body extent -2.05,-2.8 2.05,2.8, height 2.42
SWITCH_NIDEC_CHS-04TA [mm]
  rect 0.8x1.3 smd: 1(-1.905,-2.4) 2(-1.905,2.4) 3(-0.635,-2.4) 4(-0.635,2.4) 5(0.635,-2.4) 6(0.635,2.4) 7(1.905,-2.4) 8(1.905,2.4)
  silkscreen extent -3.32,-2.8 3.32,2.8, body extent -3.3,-2.8 3.3,2.8, height 2.5
SWITCH_TS-1092S-B3D2-G [mm]
  rect 1.5x1 smd: 1(-3.95,0) 2(3.95,0)
  silkscreen extent -3.05,-1.8 3.05,1.8, body extent -3.95,-1.8 3.95,1.8, height 2.5
TE_AMPSEAL_1-776163-1 [mm]
  round 2.6 hole 1.75: 1(-22,4) 2(-18,4) 3(-14,4) 4(-10,4) 5(-6,4) 6(-2,4) 7(2,4) 8(6,4) 9(10,4) 10(14,4) 11(18,4) 12(22,4) 13(-20,0) 14(-16,0) 15(-12,0) 16(-8,0) 17(-4,0) 18(0,0) 19(4,0) 20(8,0) 21(12,0) 22(16,0) 23(20,0) 24(-22,-4) 25(-18,-4) 26(-14,-4) 27(-10,-4) 28(-6,-4) 29(-2,-4) 30(2,-4) 31(6,-4) 32(10,-4) 33(14,-4) 34(18,-4) 35(22,-4)
  round 0 hole 2.85: MH(-28.5,-0.5) MH(28.5,-0.5)
  body extent -38.45,-31.8 38.45,6, height 27.78
TE_AMPSEAL_1-776163-5 [mm]
  round 2.6 hole 1.75: 1(-22,4) 2(-18,4) 3(-14,4) 4(-10,4) 5(-6,4) 6(-2,4) 7(2,4) 8(6,4) 9(10,4) 10(14,4) 11(18,4) 12(22,4) 13(-20,0) 14(-16,0) 15(-12,0) 16(-8,0) 17(-4,0) 18(0,0) 19(4,0) 20(8,0) 21(12,0) 22(16,0) 23(20,0) 24(-22,-4) 25(-18,-4) 26(-14,-4) 27(-10,-4) 28(-6,-4) 29(-2,-4) 30(2,-4) 31(6,-4) 32(10,-4) 33(14,-4) 34(18,-4) 35(22,-4)
  round 0 hole 2.85: MH(-28.5,-0.5) MH(28.5,-0.5)
  body extent -38.45,-31.8 38.45,6, height 27.78
TI_PW0016A [mm]
  rect 1.5x0.45 smd mask+0.102: 1(-2.9,2.275) 2(-2.9,1.625) 3(-2.9,0.975) 4(-2.9,0.325) 5(-2.9,-0.325) 6(-2.9,-0.975) 7(-2.9,-1.625) 8(-2.9,-2.275) 9(2.9,-2.275) 10(2.9,-1.625) 11(2.9,-0.975) 12(2.9,-0.325) 13(2.9,0.325) 14(2.9,0.975) 15(2.9,1.625) 16(2.9,2.275)
  silkscreen extent -3.1,-2.5 1.8,3, body extent -3.2,-2.5 3.2,2.5, height 1.21